# Altium PCB STM32_Serial_Ethernet.PcbDoc (part 2 of 2)
Units mm, origin at the board's own origin, x right, y up, seen from the top; angles counter-clockwise.
Board outline 88.65 x 49.28 mm, 4 copper layers (Signal, GND_1, GND_2, Signal/PWR), stack 1.608 mm thick; 121 components, 87 nets, 419 pads, 240 vias.
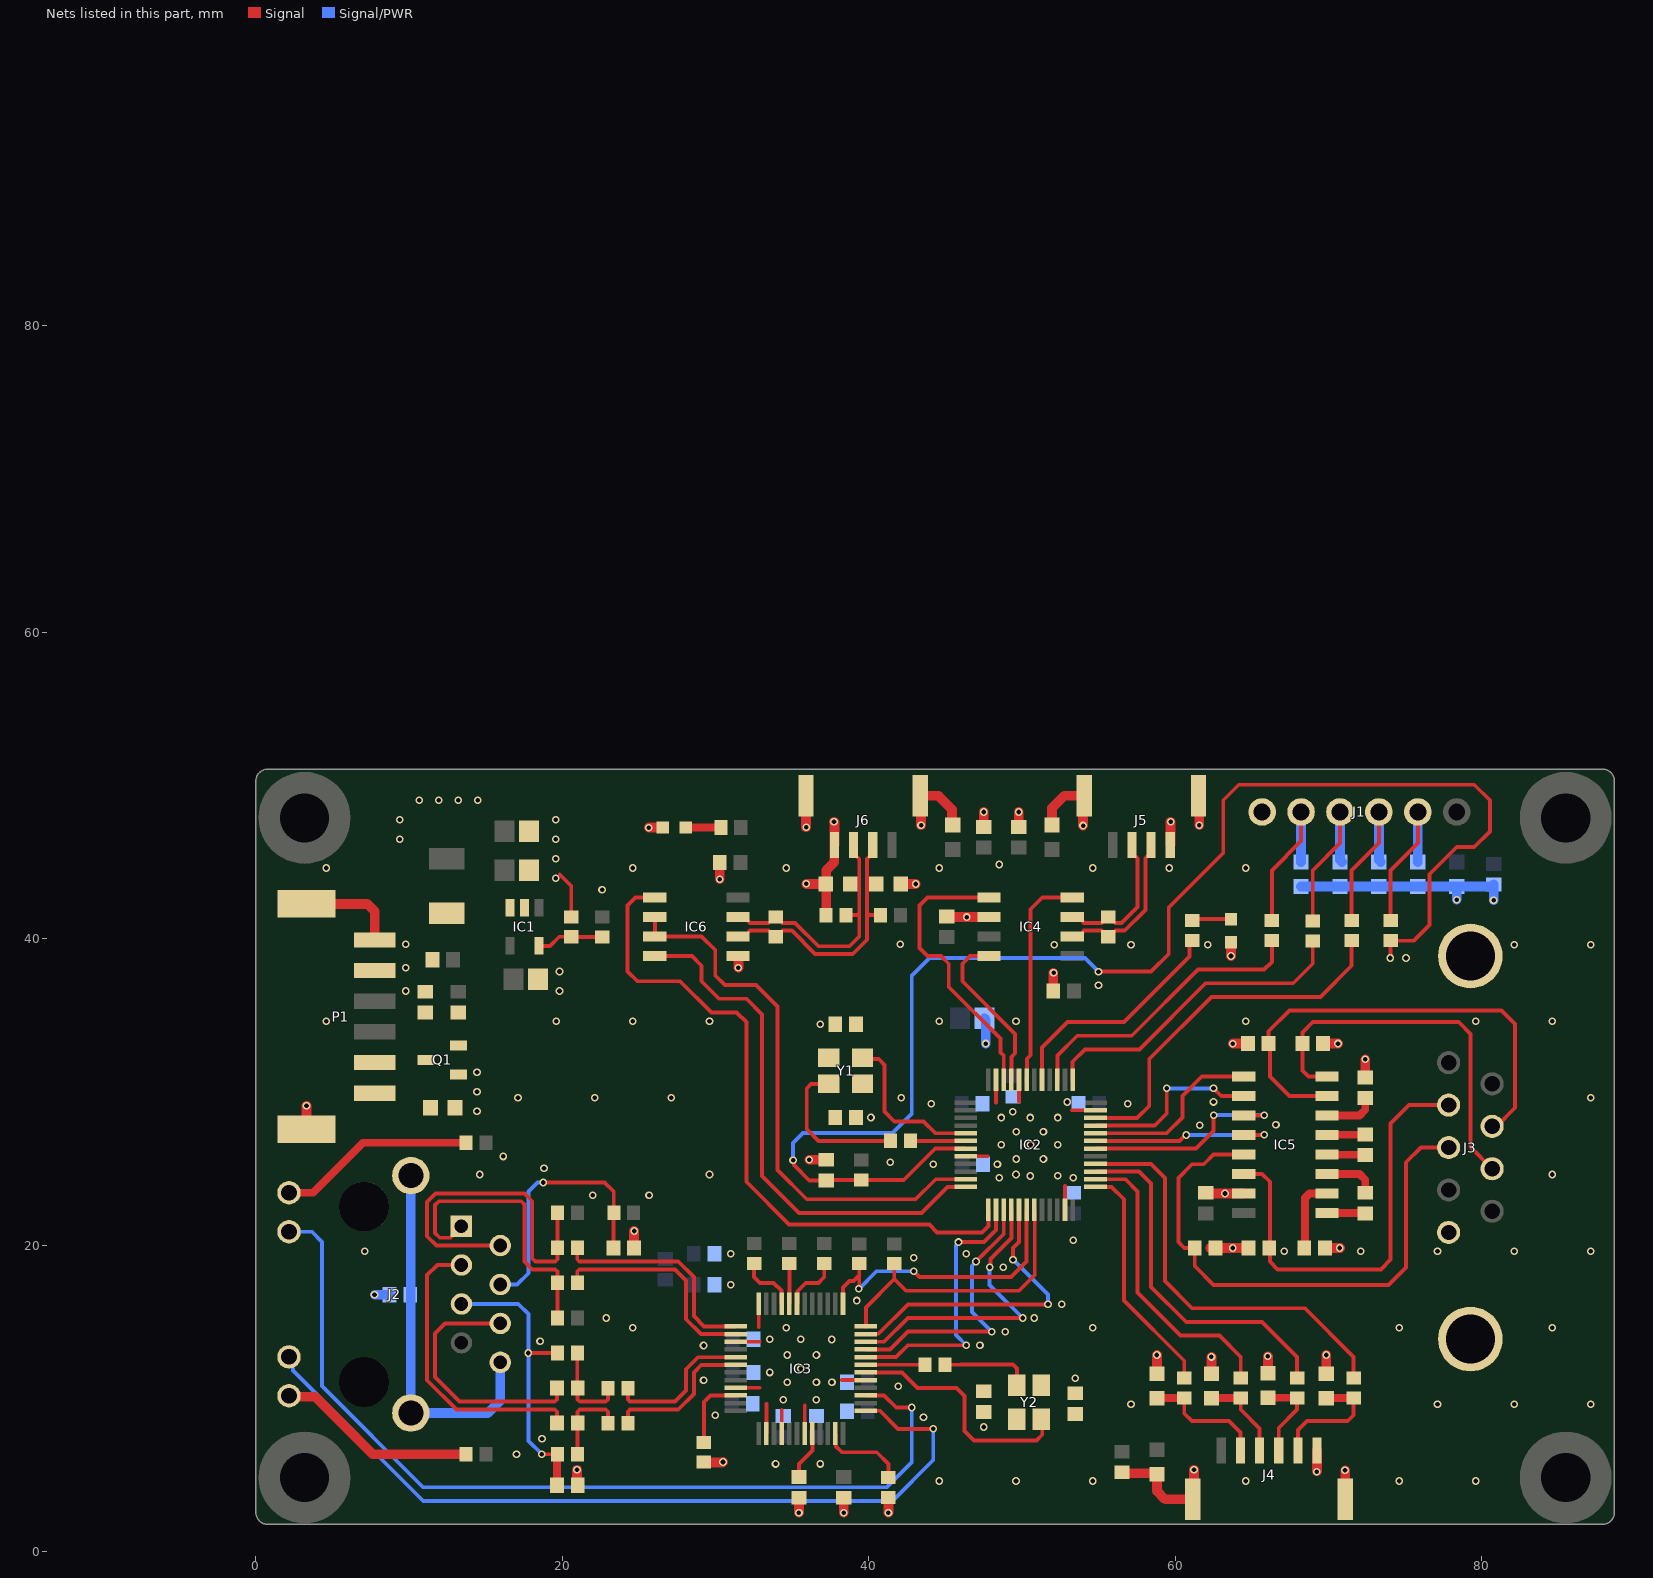
[diagram p4: the nets of this part, all layers, seen from the top]

## Via types
v1: diameter 0.5, hole 0.3, Signal to Signal/PWR, tented both sides, 240 vias

## Nets (pads, with @x,y where several pads share a name; then routed paths per layer and width w, separated by ;. In a path a pad name is that pad's centre, name@x,y a point inside that pad or via, vN(x,y) a via of type N, cw(c..) or ccw(c..) an arc to the next point about the centre after c; other vN are vias at no path point) (continued)
ACTLED: IC3.27 J2.10 | length 60.6
  Signal w0.254: IC3.27@39.798,10.188 40.993,10.188 41.783,9.398 v1(42.799,9.398)
  Signal/PWR w0.254: J2.10@2.159,20.87 3.641,20.87 4.318,20.193 4.318,10.795 10.922,4.191 41.148,4.191 42.799,5.842 v1(42.799,9.398)
BRES1: IC3.10 R33.2 | length 4.9
  Signal w0.254: R33.2@29.238,7.15 29.238,9.757 29.662,10.181 IC3.10@31.315,10.181
CAN_N: IC4.6 J5.2 R39.1 | length 10.3
  Signal w0.254: IC4.6@53.258,40.132 53.696,40.132 53.894,40.33 53.894,40.364 54.042,40.513 54.486,40.513 55.18,40.513 55.576,40.117 R39.1@55.626,40.117 55.676,40.117 56.072,40.513 56.692,40.513 58.039,41.86 58.039,45.24 58.188,45.389 58.237,45.389 58.41,45.562 J5.2@58.41,46.112
CAN_P: IC4.7 J5.3 R39.2 | length 9.4
  Signal w0.254: IC4.7@53.258,41.402 53.696,41.402 53.894,41.204 53.894,41.17 54.042,41.021 54.696,41.021 55.18,41.021 55.576,41.417 R39.2@55.626,41.417 55.676,41.417 56.072,41.021 56.482,41.021 57.531,42.07 57.531,45.24 57.382,45.389 57.333,45.389 57.16,45.562 J5.3@57.16,46.112
CAN_RX: IC2.45 IC4.4 | length 11
  Signal w0.254: IC4.4@47.834,38.862 46.609,38.862 46.101,38.354 46.101,37.211 49.53,33.782 49.53,32.512 49.296,32.278 IC2.45@49.296,30.781
CAN_S: IC2.43 IC4.8 | length 14.3
  Signal w0.254: IC2.43@50.296,30.781 50.319,30.804 50.319,32.158 50.546,32.385 50.546,41.91 51.308,42.672 IC4.8@53.258,42.672
CAN_TX: IC2.46 IC4.1 | length 18.9
  Signal w0.254: IC4.1@47.834,42.672 43.815,42.672 43.307,42.164 43.307,39.37 43.815,38.862 44.704,38.862 45.212,38.354 45.212,36.83 48.578,33.465 48.578,32.575 48.796,32.357 IC2.46@48.796,30.781
CGND: C35.1 J2.8 J2.15 J2.16 | length 24.2
  Signal/PWR w0.635: J2.15@10.109,24.53 J2.16@10.109,9.04 15.136,9.04 15.949,9.853 J2.8@15.949,12.345
GND: C1.1 C2.1 C3.1 C4.1 C5.1 C6.1 C7.2 C8.1 C9.1 C10.2 C11.1 C12.1 C13.2 C14.2 C15.2 C16.2 C17.2 C18.2 C19.2 C20.2 C21.2 C22.2 C23.2 C24.2 C25.1 C29.2 C30.1 C31.1 C32.1 C33.1 C35.2 C36.2 C37.1 C38.1 C39.1 C42.1 C43.1 C44.1 C45.1 C46.1 C47.1 C48.2 C49.1 C50.1 D1.1 D2.2 D3.2 D4.1 IC1.2 IC2.8 IC2.23 IC2.35 IC2.44 IC2.47 IC3.3 IC3.9 IC3.14 IC3.16 IC3.19 IC3.29 IC3.48 IC4.2 IC5.15 IC6.5 J1.6 J3.5 J3.Z1 J3.Z2 J4.6 J4.S1 J4.S2 J5.1 J5.SH1 J5.SH2 J6.4 J6.SH1 J6.SH2 P1.5 P1.6 P1.MP1 P1.MP2 Q1.1 R3.2 R33.1 R34.2 R42.1 RV1.1 RV2.1 RV3.1 RV4.1 RV5.1 RV6.1 RV7.1 RV8.1 RV9.1 RV10.1 RV11.1 RV12.1 RV13.1 Y1.2 Y1.4 Y2.2 Y2.4 | length 114.2
  Signal w0.254: 19.824,44.184 20.574,43.434 R3.2@20.574,41.417 ; IC3.9@31.322,10.688 32.873,10.688 ; IC3.3@31.322,13.688 32.865,13.688 ; 32.81,14.649 IC3.48@32.81,16.176 ; IC3.14@33.31,7.7 33.31,9.616 ; IC3.16@34.31,7.7 34.31,9.251 ; IC3.19@35.81,7.7 35.81,9.521 ; 38.239,11.188 IC3.29@39.798,11.188 ; IC2.8@46.308,25.793 47.74,25.793 ; 48.296,29.301 IC2.47@48.296,30.781 ; 49.796,29.349 IC2.44@49.796,30.781 ; IC2.23@52.796,22.305 52.796,23.84 ; 53.249,28.793 IC2.35@54.784,28.793
  Signal w0.635: P1.MP1@3.297,27.559 3.297,29.078 v1(3.302,29.083) ; P1.MP2@3.297,42.259 7.271,42.259 7.747,41.783 P1.6@7.747,39.909 ; v1(20.955,5.334) 20.955,4.358 C32.1@20.995,4.318 ; C25.1@24.678,19.812 v1(24.678,20.915) ; v1@25.654,47.244 D2.2@26.543,47.244 ; R33.1@29.21,5.827 29.35,5.827 29.368,5.809 30.447,5.809 v1(30.48,5.842) ; v1(30.273,43.862) C48.2@30.273,44.958 ; IC6.5@31.459,38.862 31.488,38.862 31.496,38.854 v1@31.496,38.1 ; v1(35.433,2.54) C50.1@35.433,3.516 ; J6.SH2@35.899,49.312 35.899,47.27 v1(35.911,47.258) ; v1(35.911,43.575) 35.925,43.561 RV13.1@37.173,43.561 ; v1(36.108,25.567) C10.2@37.211,25.567 ; R42.1@37.196,41.529 37.211,41.544 37.211,44.45 37.731,44.97 37.731,46.095 J6.4@37.749,46.112 37.749,47.595 v1(37.719,47.625) ; v1(38.354,2.54) C33.1@38.354,3.516 ; v1(41.275,2.54) R34.2@41.275,3.541 ; RV12.1@42.075,43.561 v1(43.053,43.561) ; v1(43.404,47.385) 43.404,49.257 J6.SH1@43.349,49.312 44.541,49.312 45.429,48.424 45.429,47.446 RV11.1@45.466,47.409 ; C36.2@45.085,41.442 45.117,41.41 47.826,41.41 IC4.2@47.834,41.402 ; C49.1@47.498,47.284 v1(47.498,48.26) ; C38.1@49.784,47.284 v1(49.784,48.26) ; D4.1@51.943,47.409 51.943,48.514 52.741,49.312 J5.SH2@54.06,49.312 53.975,49.227 v1(53.975,47.371) ; C37.1@52.03,36.576 v1@52.03,37.759 ; C11.1@56.515,5.167 56.577,5.105 58.738,5.105 RV6.1@58.801,5.042 58.801,3.937 59.334,3.404 J4.S1@61.142,3.404 61.214,3.476 v1(61.214,5.334) ; v1(58.794,12.824) 58.801,12.817 RV10.1@58.801,11.595 ; J5.1@59.66,46.112 59.678,46.13 59.678,47.613 v1(59.69,47.625) ; J5.SH1@61.51,49.312 61.565,49.257 v1(61.565,47.385) ; C39.1@62.019,23.365 v1(63.239,23.365) ; C42.1@62.27,19.812 C42.1@62.611,19.812 C43.1@64.77,19.812 ; v1(62.35,12.697) 62.357,12.69 RV9.1@62.357,11.595 ; v1@63.242,23.368 IC5.15@64.471,23.368 ; v1(63.627,38.862) D3.2@63.627,39.763 ; v1@63.754,33.147 C46.1@64.73,33.147 ; v1(66.033,12.735) 66.04,12.728 RV8.1@66.04,11.633 ; v1@69.242,5.241 J4.6@69.242,6.604 ; C47.1@69.636,33.147 v1(70.612,33.147) ; C44.1@69.763,19.812 v1@70.739,19.812 ; v1(69.843,12.824) 69.85,12.817 RV7.1@69.85,11.595 ; v1@71.08,5.298 71.08,3.416 J4.S2@71.092,3.404 ; C45.1@72.39,30.941 v1@72.39,32.131
  Signal/PWR w0.635: v1@7.747,16.764 C35.2@8.723,16.764 ; C12.1@47.536,34.798 47.625,34.709 v1(47.625,33.147) ; RV3.1@68.199,43.396 RV4.1@70.739,43.396 RV5.1@73.279,43.396 RV2.1@75.819,43.396 RV1.1@78.359,43.396 ; v1@78.359,42.545 RV1.1@78.359,43.396 ; v1@80.772,42.505 C7.2@80.772,43.396 ; C7.2@80.772,43.521 C7.2@80.772,43.396 ; RV1.1@78.359,43.396 C7.2@80.772,43.396
  other v1: 44.6,4.6 49.6,4.6 54.6,4.6 64.6,4.6 74.6,4.6 79.6,4.6 69.214,5.212 71.069,5.294 33.909,5.715 36.83,5.715 17.007,6.346 18.669,7.366 47.498,8.128 43.561,8.763 29.972,8.89 57.1,9.6 77.1,9.6 82.1,9.6 87.1,9.6 34.412,9.908 36.571,9.908 41.91,10.795 34.671,11.049 36.576,11.049 37.587,11.051 29.21,11.176 53.467,11.303 33.523,11.686 35.56,11.938 34.671,12.827 36.576,12.827 29.21,13.441 47.244,13.462 18.542,13.716 33.523,13.845 35.56,13.843 37.581,13.839 48.895,14.351 24.6,14.6 34.6,14.6 54.6,14.6 74.6,14.6 84.6,14.6 22.86,15.24 50.8,15.24 52.578,16.129 39.214,16.375 7.736,16.76 30.988,17.399 48.768,18.542 42.926,19.177 30.988,19.431 46.355,19.431 7.1,19.6 67.1,19.6 72.1,19.6 77.1,19.6 82.1,19.6 87.1,19.6 63.747,19.809 70.732,19.809 53.34,20.32 21.971,23.241 25.654,23.241 48.503,24.38 53.34,24.384 50.535,24.507 52.324,24.511 14.6,24.6 29.6,24.6 49.6,24.6 84.6,24.6 18.796,25.019 44.196,25.273 48.387,25.273 41.402,25.4 49.611,25.616 51.389,25.616 16.129,25.781 48.63,26.539 50.546,26.543 52.313,26.539 49.611,27.394 51.389,27.394 61.595,27.813 66.56,27.841 40.132,28.321 48.63,28.317 50.535,28.317 52.313,28.317 49.395,28.692 14.429,28.737 44.069,29.21 56.891,29.212 52.941,29.332 62.484,29.337 17.1,29.6 22.1,29.6 27.1,29.6 42.1,29.6 87.1,29.6 14.429,30.007 14.429,31.277 72.383,32.128 63.747,33.144 36.83,34.417 4.6,34.6 19.6,34.6 24.6,34.6 29.6,34.6 44.6,34.6 49.6,34.6 64.6,34.6 79.6,34.6 84.6,34.6 9.779,36.576 19.812,36.576 54.98,36.953 52.05,37.758 19.812,37.846 9.779,38.1 31.485,38.096 75.046,38.731 52.1,39.6 57.1,39.6 62.1,39.6 82.1,39.6 87.1,39.6 9.779,39.624 42.037,39.624 46.375,41.401 80.761,42.501 78.348,42.541 22.588,43.175 19.558,43.942 4.6,44.6 24.6,44.6 34.6,44.6 44.6,44.6 54.6,44.6 59.6,44.6 64.6,44.6 48.514,44.831 19.558,45.212 9.387,46.478 19.558,46.482 25.643,47.24 9.387,47.748 19.558,47.752 10.668,49.022 11.938,49.022 13.208,49.022 14.478,49.022
INTn: IC2.19 IC3.36 R37.2 | length 19
  Signal w0.254: IC3.36@39.798,14.688 39.798,15.922 41.656,17.78 ; R37.2@41.656,18.781 41.656,17.78 ; IC2.19@50.796,22.305 50.819,22.282 50.819,18.053 49.784,17.018 42.418,17.018 41.656,17.78
LINKLED: IC3.25 J2.11 | length 54.3
  Signal w0.254: IC3.25@39.798,9.188 40.723,9.188 41.91,8.001 v1(44.196,8.001)
  Signal/PWR w0.254: J2.11@2.159,12.7 2.403,12.456 2.403,11.923 2.413,11.913 2.413,11.811 10.922,3.302 41.529,3.302 44.196,5.969 v1(44.196,8.001)
MCU_NRST: C10.1 IC2.7 R7.1 R9.2 | length 93.9
  Signal w0.254: v1(35.052,25.527) 35.099,25.48 35.099,25.226 36.108,24.217 C10.1@37.211,24.217 37.236,24.242 R9.2@39.497,24.242 42.276,24.242 44.327,26.293 IC2.7@46.308,26.293 ; v1(54.98,37.842) 58.416,37.842 59.563,38.989 59.563,42.037 63.119,45.593 63.119,49.022 64.135,50.038 79.502,50.038 80.518,49.022 80.518,46.99 79.502,45.974 78.359,45.974 76.581,44.196 76.581,40.894 75.539,39.852 74.03,39.852 v1(74.03,38.731)
  Signal/PWR w0.254: v1(35.052,25.527) 35.052,26.67 35.687,27.305 41.529,27.305 42.799,28.575 42.799,37.592 43.942,38.735 54.102,38.735 v1@54.991,37.846
MCU_SWCLK: IC2.37 R5.1 | length 21
  Signal w0.254: IC2.37@53.296,30.781 53.296,31.96 54.102,32.766 57.658,32.766 61.976,37.084 67.691,37.084 68.961,38.354 R5.1@68.961,39.848
MCU_SWDIO: IC2.34 R4.1 | length 24.3
  Signal w0.254: IC2.34@54.784,28.293 57.503,28.293 58.293,29.083 58.293,32.131 62.357,36.195 69.469,36.195 71.501,38.227 R4.1@71.501,39.863
MCU_SWO: IC2.39 R6.1 | length 19.5
  Signal w0.254: IC2.39@52.296,30.781 52.296,32.357 53.594,33.655 57.15,33.655 61.468,37.973 65.786,37.973 66.294,38.481 R6.1@66.294,39.863
NetC9_2: C9.2 R10.1 Y1.3 | length 10
  Signal w0.254: Y1.3@37.381,30.519 36.234,30.519 35.941,30.226 35.941,27.559 36.703,26.797 R10.1@41.402,26.797 ; C9.2@37.806,28.321 C9.2@37.831,28.296
NetC30_2: C30.2 R29.1 Y2.1 | length 5.9
  Signal w0.254: R29.1@44.969,12.188 46.014,12.188 46.018,12.192 49.403,12.192 49.657,11.938 Y2.1@49.657,10.836
NetC40_1: C40.1 IC5.1 | length 2.5
  Signal w0.508: IC5.1@69.895,22.098 72.35,22.098 C40.1@72.39,22.058
NetC40_2: C40.2 IC5.3 | length 3.5
  Signal w0.508: IC5.3@69.895,24.638 72.009,24.638 72.39,24.257 C40.2@72.39,23.408
NetC41_1: C41.1 IC5.4 | length 2.5
  Signal w0.508: IC5.4@69.895,25.908 69.915,25.888 72.37,25.888 C41.1@72.39,25.868
NetC41_2: C41.2 IC5.5 | length 2.5
  Signal w0.508: IC5.5@69.895,27.178 69.915,27.198 72.37,27.198 C41.2@72.39,27.218
NetC44_2: C44.2 IC5.2 | length 4.8
  Signal w0.508: C44.2@68.453,19.827 68.453,23.066 68.751,23.363 69.89,23.363 IC5.2@69.895,23.368
NetC45_2: C45.2 IC5.6 | length 3.4
  Signal w0.508: IC5.6@69.895,28.448 72.009,28.448 72.39,28.829 C45.2@72.39,29.591
NetD2_1: D2.1 R2.1 | length 2.3
  Signal w0.508: D2.1@28.043,47.244 R2.1@30.338,47.244
NetD3_1: D3.1 R8.1 | length 2.6
  Signal w0.254: R8.1@60.989,41.263 D3.1@63.627,41.263
NetIC1_3: IC1.3 L2.1
NetIC2_41: IC2.41 R8.2 | length 15.2
  Signal w0.254: IC2.41@51.296,30.781 51.296,32.881 52.959,34.544 56.642,34.544 60.93,38.832 R8.2@60.93,39.848
NetIC3_23: IC3.23 R34.1 | length 5.6
  Signal w0.254: IC3.23@37.81,7.7 37.833,7.677 37.833,6.895 38.251,6.477 40.513,6.477 41.275,5.715 R34.1@41.275,4.841
NetJ2_9: J2.9 R35.1 | length 12.7
  Signal w0.508: J2.9@2.159,23.41 3.725,23.41 6.985,26.67 R35.1@13.462,26.67
NetJ2_12: J2.12 R36.1 | length 13.1
  Signal w0.635: J2.12@2.159,10.16 2.225,10.094 3.876,10.094 7.62,6.35 R36.1@13.701,6.35
NRST: J1.2 R7.2 RV2.2 | length 11.1
  Signal w0.254: R7.2@74.041,41.163 74.041,44.45 75.819,46.228 J1.2@75.819,48.26
  Signal/PWR w0.635: RV2.2@75.819,44.996 J1.2@75.819,48.26
OSC_IN: C8.2 IC2.5 Y1.1 | length 10.6
  Signal w0.254: Y1.1@39.581,32.219 39.669,32.131 40.64,32.131 41.021,31.75 41.021,28.702 41.656,28.067 43.561,28.067 44.335,27.293 IC2.5@46.308,27.293
OSC_OUT: IC2.6 R10.2 | length 3.6
  Signal w0.254: R10.2@42.706,26.793 IC2.6@46.308,26.793 ; R10.2@42.717,26.797 R10.2@42.721,26.793
PMODE0: IC3.45 R22.1 | length 3.9
  Signal w0.254: R22.1@32.512,18.796 32.512,17.907 32.893,17.526 33.782,17.526 34.287,17.021 34.287,16.199 IC3.45@34.31,16.176
PMODE1: IC3.44 R21.1 | length 2.6
  Signal w0.254: R21.1@34.798,18.796 34.81,18.784 IC3.44@34.81,16.176
PMODE2: IC3.43 R20.1 | length 3.8
  Signal w0.254: IC3.43@35.31,16.176 35.333,16.199 35.333,16.981 35.878,17.526 36.703,17.526 37.084,17.907 R20.1@37.084,18.796
RCT: C32.2 J2.5 R31.1 R32.1 | length 19.1
  Signal w0.254: v1(17.78,12.954) R32.1@19.67,12.954 ; v1@18.669,6.35 R31.1@19.67,6.35 R31.1@19.645,6.325
  Signal w0.508: C32.2@19.645,4.318 R31.1@19.645,6.325
  Signal/PWR w0.254: J2.5@13.409,16.155 17.119,16.155 17.78,15.494 v1(17.78,12.954) 17.78,7.224 v1(18.658,6.346)
RS232_CTS: C46.2 IC5.7 J3.7 | length 31.1
  Signal w0.254: C46.2@66.08,33.274 66.08,33.949 67.437,35.306 81.28,35.306 82.169,34.417 82.169,28.956 80.96,27.747 J3.7@80.668,27.747 ; C46.2@66.167,32.717 66.167,30.988 67.437,29.718 IC5.7@69.895,29.718
RS232_R1I: C42.2 IC5.13 J3.3 | length 36
  Signal w0.254: C42.2@60.92,19.812 60.579,19.812 60.198,20.193 60.198,24.384 61.087,25.273 61.849,25.273 62.484,25.908 IC5.13@64.471,25.908 ; C42.2@61.261,19.812 61.261,18.622 62.484,17.399 73.914,17.399 75.057,18.542 75.057,25.4 76.019,26.362 J3.3@77.828,26.362
RS232_RTS: C47.2 IC5.8 J3.8 | length 25.2
  Signal w0.254: IC5.8@69.895,30.988 68.689,30.988 68.286,31.391 68.286,33.274 68.296,33.284 68.296,33.879 68.961,34.544 78.486,34.544 79.248,33.782 79.248,26.397 J3.8@80.668,24.977
RS232_T1O: C43.2 IC5.14 J3.2 | length 28.7
  Signal w0.254: IC5.14@64.471,24.638 65.659,24.638 66.167,24.13 C43.2@66.167,19.812 ; C43.2@66.12,19.812 66.167,19.765 66.167,18.923 66.675,18.415 73.406,18.415 74.041,19.05 74.041,27.94 75.233,29.132 J3.2@77.828,29.132
RS485_D_N: IC6.7 J6.3 R41.1 R42.2 RV13.2 | length 16.4
  Signal w0.254: IC6.7@31.459,41.402 31.897,41.402 32.095,41.204 32.095,41.17 32.243,41.021 32.728,41.021 33.463,41.021 33.859,41.417 R41.1@33.909,41.417 33.959,41.417 34.355,41.021 35.179,41.021 36.703,39.497 38.735,39.497 39.37,40.132 39.37,41.678 ; R42.2@38.496,41.529 39.221,41.529 39.37,41.678 ; J6.3@38.999,46.112 38.999,45.562 39.37,45.191 39.37,41.678
RS485_D_P: IC6.6 J6.2 R40.1 R41.2 RV12.2 | length 17.2
  Signal w0.254: IC6.6@31.459,40.132 31.897,40.132 32.095,40.33 32.095,40.364 32.243,40.513 32.938,40.513 33.463,40.513 33.859,40.117 R41.2@33.909,40.117 33.959,40.117 34.355,40.513 34.969,40.513 36.493,38.989 38.945,38.989 39.878,39.922 39.878,41.678 ; J6.2@40.249,46.112 40.249,45.562 39.878,45.191 39.878,41.678 ; R40.1@40.767,41.529 40.027,41.529 39.878,41.678
RSTn: IC2.18 IC3.37 R38.1 | length 19.5
  Signal w0.254: IC3.37@38.31,16.176 38.31,17.228 38.735,17.653 38.989,17.653 39.37,18.034 ; v1@39.37,17.145 39.37,18.034 ; R38.1@39.37,18.781 39.37,18.034 ; v1(42.926,18.288) 43.307,17.907 49.276,17.907 50.296,18.927 IC2.18@50.296,22.305
  Signal/PWR w0.254: v1(39.341,17.137) 40.491,18.288 v1(42.926,18.288)
RX1_N: C26.1 R28.2 R32.2 | length 5.9
  Signal w0.254: R32.2@20.97,12.954 20.97,10.693 C26.1@20.995,10.668 20.995,9.928 21.144,9.779 22.823,9.779 22.972,9.928 R28.2@22.972,10.668
RX1_P: C27.1 R30.2 R31.2 | length 5.6
  Signal w0.254: R31.2@20.97,6.35 20.995,6.375 C27.1@20.995,8.382 20.995,9.122 21.144,9.271 22.823,9.271 22.972,9.122 R30.2@22.972,8.382
RX2_N: C26.2 J2.6 | length 16.8
  Signal w0.254: J2.6@15.949,14.885 12.345,14.885 11.684,14.224 11.684,11.386 13.291,9.779 19.496,9.779 19.645,9.928 C26.2@19.645,10.668
RX2_P: C27.2 J2.3 | length 19.4
  Signal w0.254: J2.3@13.409,18.695 11.837,18.695 11.176,18.034 11.176,15.369 11.176,11.176 13.081,9.271 19.496,9.271 19.645,9.122 C27.2@19.645,8.382
RX_N: IC3.5 R28.1 | length 9.5
  Signal w0.254: R28.1@24.272,10.668 24.272,9.928 24.421,9.779 27.349,9.779 28.067,10.497 28.067,11.894 28.851,12.678 IC3.5@30.988,12.678
RX_P: IC3.6 R30.1 | length 9.4
  Signal w0.254: R30.1@24.272,8.382 24.272,9.122 24.421,9.271 27.559,9.271 28.575,10.287 28.575,11.684 29.061,12.17 IC3.6@30.861,12.17
SPI1_MISO: IC2.16 IC3.34 | length 19.4
  Signal w0.254: IC3.34@39.798,13.688 40.993,13.688 42.545,15.24 v1(50.038,15.24) ; v1(47.879,18.542) 47.926,18.589 47.926,19.097 49.296,20.467 IC2.16@49.296,22.305
  Signal/PWR w0.254: v1(47.879,18.542) 47.879,17.399 v1(50.038,15.24)
SPI1_MOSI: IC2.17 IC3.35 | length 20
  Signal w0.254: IC3.35@39.798,14.188 39.821,14.211 40.627,14.211 42.545,16.129 v1(51.689,16.129) ; v1(49.403,19.05) 49.403,19.812 49.796,20.205 IC2.17@49.796,22.305
  Signal/PWR w0.254: v1(49.403,19.05) 51.689,16.764 v1(51.689,16.129)
SPI1_SCK: IC2.15 IC3.33 | length 18
  Signal w0.254: IC3.33@39.798,13.188 41.382,13.188 42.545,14.351 v1(48.006,14.351) ; v1(46.99,18.923) 48.796,20.729 IC2.15@48.796,22.305
  Signal/PWR w0.254: v1(46.99,18.923) 46.99,18.905 46.736,18.651 46.736,15.621 v1(48.006,14.351)
SPI1_SS: IC2.14 IC3.32 | length 18.1
  Signal w0.254: IC3.32@39.798,12.688 41.771,12.688 42.545,13.462 v1(46.355,13.462) ; v1(45.847,20.193) 47.498,20.193 48.296,20.991 IC2.14@48.296,22.305
  Signal/PWR w0.254: v1(45.847,20.193) 45.847,20.126 45.678,19.957 45.678,14.139 v1(46.355,13.462)
SPI2_MISO: IC2.27 R13.1 | length 23.5
  Signal w0.254: IC2.27@54.784,24.793 57.63,24.793 58.42,24.003 58.42,17.272 60.706,14.986 65.659,14.986 67.945,12.7 R13.1@67.945,11.333
SPI2_MISO_CONN: J4.4 R13.2 RV8.2 | length 5.8
  Signal w0.254: J4.4@66.742,6.604 66.742,8.068 67.945,9.271 R13.2@67.945,10.033
  Signal w0.508: RV8.2@66.04,10.033 R13.2@67.945,10.033
SPI2_MOSI: IC2.28 R14.1 | length 27.4
  Signal w0.254: IC2.28@54.784,25.293 58.4,25.293 59.309,24.384 59.309,17.653 61.087,15.875 68.453,15.875 71.628,12.7 R14.1@71.628,11.333
SPI2_MOSI_CONN: J4.5 R14.2 RV7.2 | length 8.3
  Signal w0.254: J4.5@67.992,6.604 67.992,7.921 68.58,8.509 71.247,8.509 71.628,8.89 R14.2@71.628,10.033
  Signal w0.508: RV7.2@69.85,9.995 69.869,10.014 71.609,10.014 R14.2@71.628,10.033
SPI2_SCK: IC2.26 R12.1 | length 19.5
  Signal w0.254: IC2.26@54.784,24.293 56.733,24.293 57.531,23.495 57.531,16.891 60.325,14.097 62.865,14.097 64.262,12.7 R12.1@64.262,11.333
SPI2_SCK_CONN: J4.3 R12.2 RV9.2 | length 5.9
  Signal w0.254: R12.2@64.262,10.033 64.262,9.271 65.492,8.041 J4.3@65.492,6.604
  Signal w0.508: RV9.2@62.357,9.995 62.376,10.014 64.243,10.014 R12.2@64.262,10.033
SPI2_SS: IC2.25 R11.1 | length 15.5
  Signal w0.254: IC2.25@54.784,23.793 55.836,23.793 56.642,22.987 56.642,16.383 60.579,12.446 R11.1@60.579,11.333
SPI2_SS-CONN: J4.2 R11.2 RV10.2 | length 8.2
  Signal w0.254: R11.2@60.579,10.033 60.579,9.017 61.087,8.509 63.5,8.509 64.242,7.767 J4.2@64.242,6.604
  Signal w0.508: RV10.2@58.801,9.995 58.82,10.014 60.56,10.014 R11.2@60.579,10.033
SWCLK: J1.4 R5.2 RV4.2 | length 11.2
  Signal w0.254: R5.2@68.961,41.148 68.961,44.45 70.739,46.228 J1.4@70.739,48.26
  Signal/PWR w0.635: J1.4@70.739,48.26 70.739,45.123 RV4.2@70.866,44.996
SWDIO: J1.3 R4.2 RV5.2 | length 11.2
  Signal w0.254: R4.2@71.501,41.163 71.501,44.45 73.279,46.228 J1.3@73.279,48.26
  Signal/PWR w0.635: J1.3@73.279,48.26 73.279,45.123 RV5.2@73.406,44.996
SWO: J1.5 R6.2 RV3.2 | length 11.2
  Signal w0.254: R6.2@66.294,41.163 66.294,44.45 68.199,46.355 J1.5@68.199,48.26
  Signal/PWR w0.635: RV3.2@68.199,44.996 J1.5@68.199,48.26
T0CAP: C50.2 IC3.20 | length 3.2
  Signal w0.254: C50.2@35.433,4.866 35.433,5.715 36.31,6.592 IC3.20@36.31,7.7
TCT: C25.2 J2.4 R25.1 | length 17.1
  Signal w0.254: v1(18.749,24.083) 22.758,24.083 23.353,23.488 R25.1@23.353,22.098 ; C25.2@23.328,19.812 R25.1@23.328,21.996
  Signal/PWR w0.254: J2.4@15.949,17.425 17.044,17.425 17.78,18.161 17.78,23.495 18.366,24.081 v1(18.749,24.083) v1(18.749,24.083)
TX1_N: J2.2 R23.1 R26.2 | length 23.1
  Signal w0.254: J2.2@15.949,19.965 12.688,19.965 11.785,19.965 11.176,20.574 11.176,22.816 11.728,23.368 17.526,23.368 18.034,22.86 18.034,19.133 18.244,18.923 19.521,18.923 19.67,19.072 R26.2@19.67,19.812 R23.1@19.67,22.098
TX1_P: J2.1 R24.1 R27.2 | length 19.2
  Signal w0.254: J2.1@13.409,21.235 12.837,20.663 12.837,20.622 12.688,20.473 11.995,20.473 11.684,20.784 11.684,22.606 11.938,22.86 17.316,22.86 17.526,22.65 17.526,18.923 18.034,18.415 19.521,18.415 19.67,18.266 R24.1@19.67,15.24
TX_N: IC3.1 R26.1 | length 14.4
  Signal w0.254: R26.1@20.97,19.812 20.97,19.072 21.119,18.923 27.559,18.923 28.575,17.907 28.575,15.367 29.246,14.696 IC3.1@31.314,14.696
TX_P: IC3.2 R27.1 | length 14.4
  Signal w0.254: R27.1@20.97,17.526 20.97,18.266 21.119,18.415 27.349,18.415 28.067,17.697 28.067,15.157 29.036,14.188 IC3.2@31.322,14.188
USART1_CTS: IC2.32 IC5.9 | length 12
  Signal w0.254: IC2.32@54.784,27.293 59.424,27.293 60.452,28.321 60.452,29.718 61.722,30.988 IC5.9@64.471,30.988
USART1_RTS: IC2.33 IC5.10 | length 11.9
  Signal w0.254: IC2.33@54.784,27.793 58.654,27.793 59.436,28.575 v1(59.436,30.226) ; v1(62.484,30.226) 62.992,29.718 IC5.10@64.471,29.718
  Signal/PWR w0.254: v1(59.436,30.226) v1(62.484,30.226)
USART1_RX: IC2.31 IC5.12 | length 12.5
  Signal w0.254: IC2.31@54.784,26.793 60.255,26.793 60.639,27.178 v1(60.706,27.178) ; IC5.12@64.471,27.178 v1@65.786,27.178
  Signal/PWR w0.254: v1(60.706,27.178) 60.72,27.192 65.785,27.192 v1(65.798,27.206)
USART1_TX: IC2.30 IC5.11 | length 13.8
  Signal w0.254: IC2.30@54.784,26.293 61.345,26.293 62.484,27.432 v1@62.484,28.448 ; IC5.11@64.471,28.448 v1@65.798,28.448
  Signal/PWR w0.254: v1(62.496,28.476) v1(65.798,28.476)
USART2_EN: IC2.11 IC6.2 IC6.3 | length 36.4
  Signal w0.254: IC6.2@26.035,41.402 IC6.3@26.035,40.132 29.083,40.132 29.972,39.243 29.972,37.592 30.607,36.957 32.639,36.957 34.036,35.56 34.036,24.892 35.941,22.987 43.053,22.987 44.359,24.293 IC2.11@46.308,24.293
USART2_RX: IC2.13 IC6.1 | length 44.2
  Signal w0.254: IC6.1@26.035,42.672 24.765,42.672 24.257,42.164 24.257,37.846 24.892,37.211 27.686,37.211 29.718,35.179 31.369,35.179 32.004,34.544 32.004,24.13 34.798,21.336 43.942,21.336 44.45,20.828 47.371,20.828 47.796,21.253 IC2.13@47.796,22.305
USART2_TX: IC2.12 IC6.4 | length 34.7
  Signal w0.254: IC6.4@26.035,38.862 28.448,38.862 29.083,38.227 29.083,37.211 30.226,36.068 32.004,36.068 33.02,35.052 33.02,24.511 35.433,22.098 43.434,22.098 45.129,23.793 IC2.12@46.308,23.793
V_FB: IC1.5 R1.1 R3.1 | length 4.4
  Signal w0.254: IC1.5@18.476,39.517 19.197,39.517 19.797,40.117 R3.1@20.574,40.117 20.589,40.102 R1.1@22.606,40.102
VIN: D1.2 P1.1 P1.2 Q1.3
VIN_TO_FILT: C2.2 FB1.1 Q1.2
XI: C31.2 IC3.30 Y2.3 | length 15.7
  Signal w0.254: IC3.30@39.798,11.688 42.16,11.688 43.18,10.668 45.72,10.668 46.228,10.16 46.228,7.874 46.863,7.239 50.927,7.239 51.308,7.62 Y2.3@51.308,8.514
XO: IC3.31 R29.2 | length 3.9
  Signal w0.254: IC3.31@39.798,12.188 R29.2@43.669,12.188 R29.2@43.673,12.192
pads on no net: IC2.2 IC2.3 IC2.4 IC2.10 IC2.20 IC2.21 IC2.22 IC2.29 IC2.38 IC2.40 IC2.42 IC3.7 IC3.12 IC3.13 IC3.18 IC3.24 IC3.26 IC3.38 IC3.39 IC3.40 IC3.41 IC3.42 IC3.46 IC3.47 J2. J2.7 J3.1 J3.4 J3.6 J3.9 P1.3 P1.4

## Polygon pours and split planes (outlines as drawn)
OSC_IN on Signal "OSC_IN_L01_P029" (solid, pour order 29): 38.862,31.623 38.862,35.052 40.132,35.052 40.386,34.798 40.386,31.623
NetC9_2 on Signal "NETC9_2_L01_P030" (solid, pour order 30): 38.1,31.115 38.1,27.686 36.83,27.686 36.576,27.94 36.576,31.115
GND on Signal "GND_L01_P031" (solid, pour order 31): 40.386,31.115 40.386,27.94 40.132,27.686 38.862,27.686 38.862,31.115
GND on Signal "GND_L01_P032" (solid, pour order 32): 36.576,31.623 36.576,34.798 36.83,35.052 38.1,35.052 38.1,31.623
XI on Signal "XI_L01_P028" (solid, pour order 28): 50.673,9.398 54.102,9.398 54.102,8.128 53.848,7.874 50.673,7.874
GND on Signal "GND_L01_P027" (solid, pour order 27): 50.292,7.874 47.117,7.874 46.863,8.128 46.863,9.398 50.292,9.398
GND on Signal "GND_L01_P026" (solid, pour order 26): 50.673,11.557 53.848,11.557 54.102,11.303 54.102,10.033 50.673,10.033
NetC30_2 on Signal "NETC30_2_L01_P025" (solid, pour order 25): 50.292,10.033 46.863,10.033 46.863,11.303 47.117,11.557 50.292,11.557
GND on Signal "GND_L01_P021" (solid, pour order 21): 32.512,14.986 32.512,8.89 38.608,8.89 38.608,14.986
GND on Signal "GND_L01_P019" (solid, pour order 19): 47.498,29.591 47.498,23.495 53.594,23.495 53.594,29.591
GND on Signal "GND_L01_P015" (solid, pour order 15): 5.842,41.148 9.652,41.148 9.906,40.894 9.906,40.513 10.287,40.132 11.684,40.132 11.938,39.878 11.938,36.322 11.684,36.068 9.779,36.068 9.525,36.322 9.525,37.084 9.271,37.338 5.842,37.338 5.588,37.592 5.588,40.894
3V3 on Signal "3V3_L01_P012" (solid, pour order 12): 16.51,43.434 10.414,43.434 10.16,43.688 10.16,48.006 10.414,48.26 16.51,48.26 16.764,48.006 16.764,43.688
GND on Signal "GND_L01_P017" (solid, pour order 17): 18.034,38.354 20.32,38.354 20.574,38.1 20.574,36.322 20.32,36.068 18.034,36.068 17.78,36.322 17.78,38.1
GND on Signal "GND_L01_P014" (solid, pour order 14): 17.272,48.006 17.526,48.26 20.32,48.26 20.574,48.006 20.574,43.688 20.32,43.434 18.542,43.434 17.78,42.672 17.78,41.402 17.272,41.402
NetIC1_3 on Signal "NETIC1_3_L01_P011" (solid, pour order 11): 16.764,40.386 10.414,40.386 10.16,40.64 10.16,42.672 10.414,42.926 16.764,42.926 17.018,42.672 17.018,40.64
5V on Signal "5V_L01_P008" (solid, pour order 8): 12.446,36.068 12.446,39.878 12.7,40.132 17.018,40.132 17.018,38.608 17.526,38.1 17.526,36.322 17.272,36.068
VIN_TO_FILT on Signal "VIN_TO_FILT_L01_P007" (solid, pour order 7): 12.827,32.258 14.986,32.258 15.24,32.512 15.24,35.56 14.986,35.814 9.779,35.814 9.525,35.56 9.525,34.29 9.779,34.036 12.319,34.036 12.573,33.782 12.573,32.512
GND on Signal "GND_L01_P006" (solid, pour order 6): 12.573,31.75 12.573,28.448 12.827,28.194 14.986,28.194 15.24,28.448 15.24,31.75 14.986,32.004 12.827,32.004
VIN on Signal "VIN_L01_P005" (solid, pour order 5): 5.842,32.258 5.842,28.575 6.223,28.194 11.684,28.194 11.938,28.448 11.938,32.639 6.223,32.639
GND on Signal/PWR "GND_L04_P022" (solid, pour order 22): 29.377,16.764 29.377,20.066 29.631,20.32 31.155,20.32 31.409,20.066 31.409,16.764 31.155,16.51 29.631,16.51
3V3 on Signal/PWR "3V3_L04_P023" (solid, pour order 23): 25.908,18.669 28.742,18.669 28.996,18.923 28.996,20.066 28.742,20.32 26.202,20.32 25.908,20.026
3V3A on Signal/PWR "3V3A_L04_P024" (solid, pour order 24): 28.869,16.51 26.202,16.51 25.948,16.764 25.948,18.197 28.881,18.197 29.055,18.023 29.033,18.001 29.033,16.674
GND on Signal/PWR "GND_L04_P020" (solid, pour order 20): 32.258,15.494 38.862,15.494 39.116,15.24 39.116,8.763 38.735,8.382 32.258,8.382 32.004,8.636 32.004,15.24
GND on Signal/PWR "GND_L04_P018" (solid, pour order 18): 47.244,30.099 53.848,30.099 54.102,29.845 54.102,23.368 53.721,22.987 47.244,22.987 46.99,23.241 46.99,29.845
3V3 on Signal/PWR "3V3_L04_P016" (solid, pour order 16): 10.414,45.974 14.986,45.974 15.24,46.228 15.24,48.006 14.986,48.26 10.414,48.26 10.16,48.006 10.16,46.228
GND on GND_2 "GND_L03_P004" (solid, pour order 4): 1.217,50.673 88.265,50.673 88.265,2.159 0.381,2.159 0.381,51.001 cw(c0.635,50.419)
GND on GND_1 "GND_L02_P000" (solid, pour order 0): 0.381,50.673 88.265,50.673 88.265,2.159 0.381,2.159

## Silkscreen, mask and mechanical layers (free items; w line width, h text height)
Top Overlay:
  region: 74.231,5.524 73.088,4.381 74.231,3.238
  region: 51.371,48.323 52.514,49.466 51.371,50.609
  region: 32.956,48.323 34.099,49.466 32.956,50.609
  lines w0.1: 2.794,97.663 2.794,88.646 5.207,86.233 83.566,86.233 86.106,88.773 86.106,97.663
  lines w0.254: -11.684,3.406 -11.176,1.882 ; -11.684,49.634 -11.176,51.158 ; -11.43,1.882 -10.922,1.882 ; -11.43,51.158 -10.922,51.158 ; -11.176,18.496 -11.176,1.882 ; -11.176,34.544 -11.176,51.158 ; -10.668,3.406 -11.176,1.882 ; -10.668,49.634 -11.176,51.158 ; 0.048,58.217 0.048,58.725 ; 1.572,57.963 0.048,58.471 ; 1.572,58.979 0.048,58.471 ; 36.347,58.471 0.048,58.471 ; 52.395,58.471 88.694,58.471 ; 87.17,57.963 88.694,58.471 ; 87.17,58.979 88.694,58.471 ; 88.694,58.217 88.694,58.725
  text "88.646 (mm)" at 36.601,57.556 h1.52
  text "RS485" at 26.035,48.387 h2.5
  text "CAN" at 46.482,48.387 h2.5
  text "PWR" at 22.098,46.609 h1.25
  text "3V3" at 77.597,43.561 h1.25 r45
  text "GND" at 64.77,43.434 h1.25 r45
  text "SWO" at 67.31,43.434 h1.25 r45
  text "NRST" at 74.676,42.926 h1.25 r45
  text "SWDIO" at 71.755,42.672 h1.25 r45
  text "SWCLK" at 69.088,42.418 h1.25 r45
  text "vorun" at 21.635,30.167 h1.5
  text "RS232" at 73.531,29.305 h2.5 r270
  text "49.276 (mm)" at -10.262,18.75 h1.52 r90
  text "SPI2" at 74.93,3.429 h2.5
Bottom Overlay:
  text "STM32 Serial to Ethernet Converter V1, 2023" at 28.841,30.689 h1.5

## Text inside footprints (layer, text, board x,y; h text height)
J3: Top Overlay "1" at 78.513,33.577 h1.27 r90; Mechanical 13 "1" at 78.513,33.577 h1.27 r90; Mechanical 13 "9" at 81.353,19.562 h1.27 r90; Mechanical 13 "EDGE OF PCB Board" at 87.948,23.062 h0.41 r90
P1: Mechanical 13 "EDGE" at 0.142,29.155 h0.61 r270